# Altium PCB lora.PcbDoc
Units mil, origin at the board's own origin, x right, y up, seen from the top; angles counter-clockwise.
Board outline 1410 x 2360 mil, 2 copper layers (Top Layer, Bottom Layer); 45 components, 47 nets, 179 pads, 57 vias.
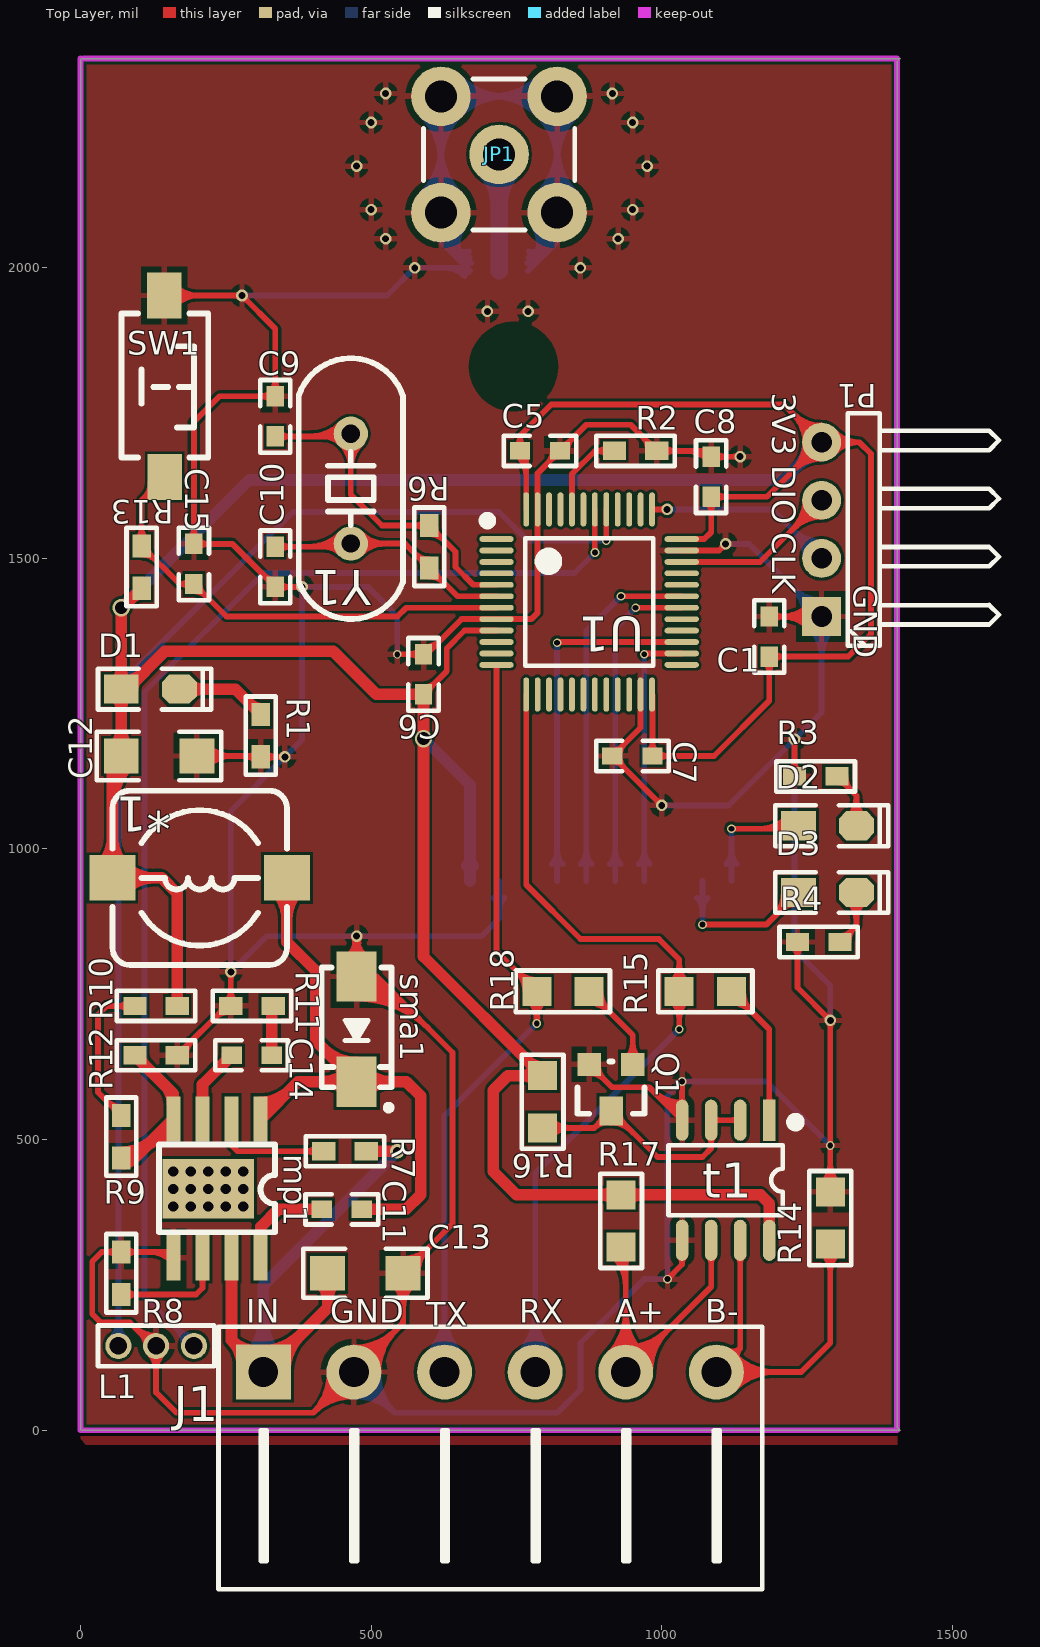
[diagram p0: Top Layer view]
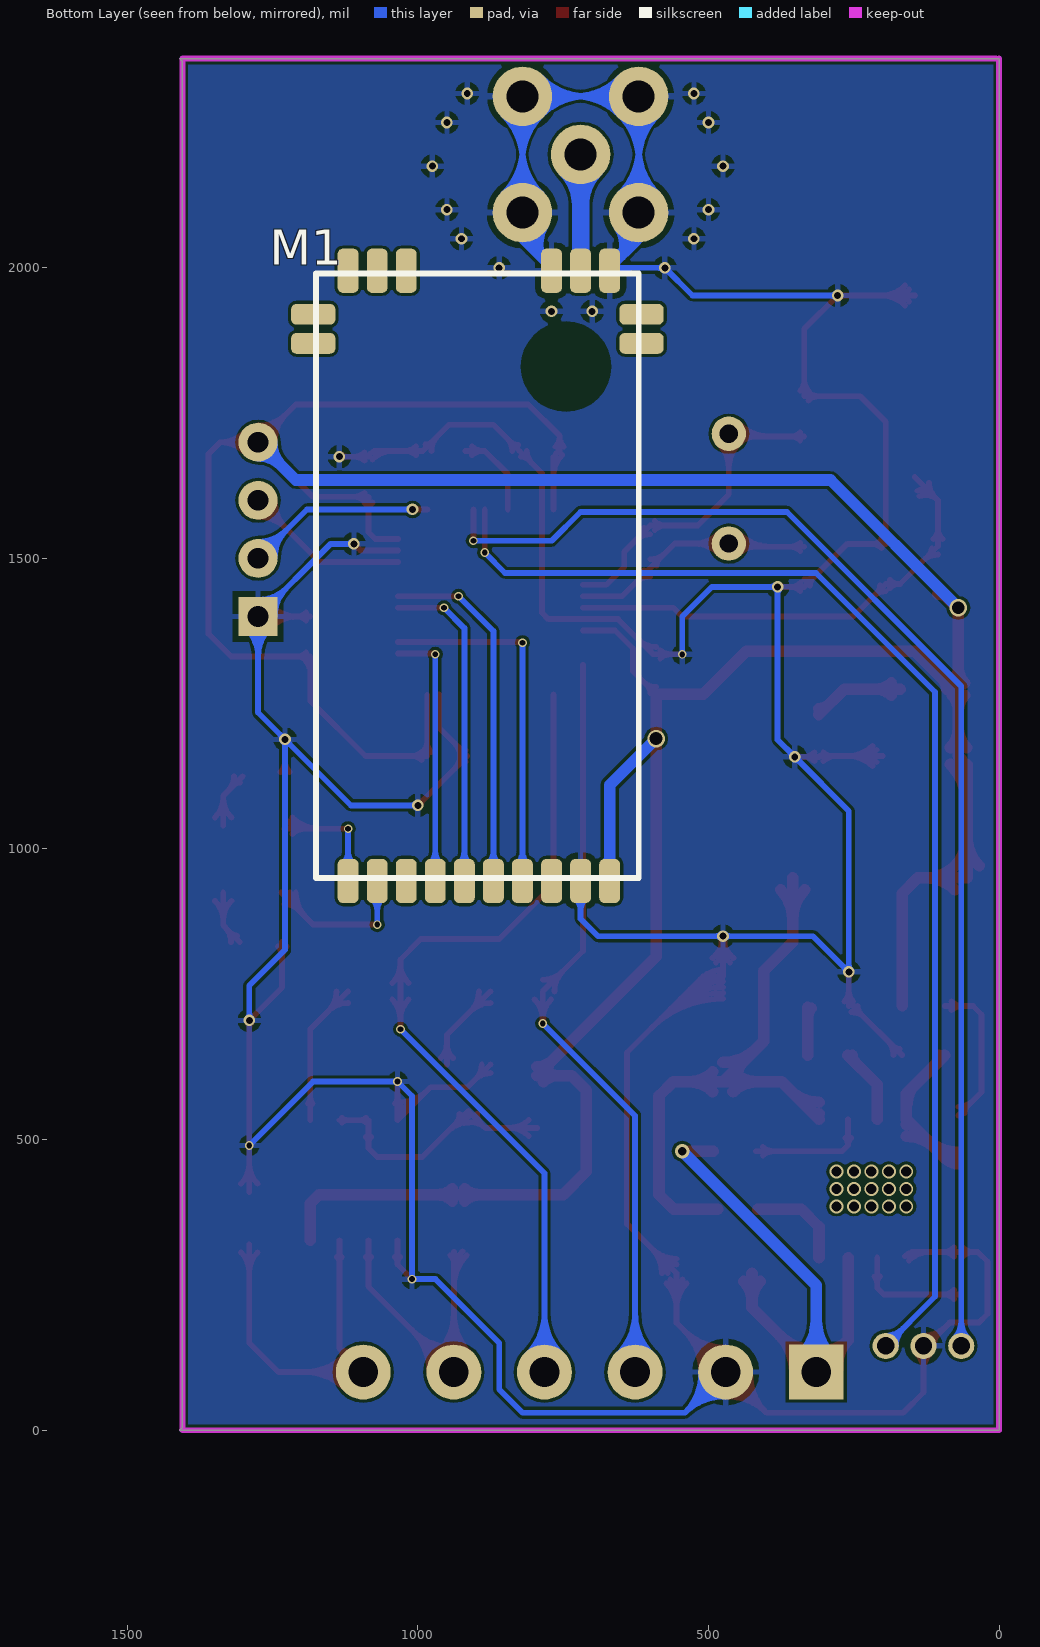
[diagram p1: Bottom Layer view, seen from below]

## Layer stack, top to bottom
Top Layer: signal copper 1.4
Dielectric: dielectric 12.6, FR-4, Dk 4.8
Bottom Layer: signal copper 1.4

## Board outline
0,0 0,2360 1410,2360 1405,2355 1405,950 1405,5 1410,0

## Design rules (kind name [scope] priority, off if disabled: settings)
Clearance [All] p1: gap=5
PolygonConnect [All] p1: connectstyle=Relief reliefconductorwidth=10 reliefentries=4 polygonreliefangle="90 Angle" airgapwidth=10
RoutingVias [All] p1: holewidth=28 width=50 viastyle="Through Hole" minholewidth=28 minwidth=50 maxholewidth=28 maxwidth=50
SolderMaskExpansion [All] p1: expansion=4
Width [All] p1: maxlimit=30 minlimit=10 preferedwidth=10
28 further rules are at their usual default settings.

## Components (designator, comment, footprint, x,y, rotation, side; value= is the part's Value field where it differs from the comment)
*1 "10uh" inductance 215,940 r270 top
C1 "104,0603" "C 0603" 1185,1365 r270 top
C5 "105,0603" "C 0603" 790,1685 r180 top
C6 "105,0603" "C 0603" 590,1300 r270 top
C7 "105,0603" "C 0603" 950,1160 r0 top
C8 "105,0603" "C 0603" 1085,1640 r270 top
C9 "22P,0603" "C 0603" 335,1745 r90 top
C10 "22P,0603" "C 0603" 335,1485 r270 top
C11 "C 103" "C 0603" 450,380 r0 top
C12 "C 224" "C 1206" 195,1160 r270 top
C13 "C 224" "C 1206" 430,270 r90 top
C14 "C 220pf" "C 0603" 295,645 r0 top
C15 "105,0603" "C 0603" 195,1490 r270 top
D1 "LED" "LED 0805G" 120,1275 r0 top
D2 "LED" "LED 0805G" 1285,1040 r0 top
D3 "LED" "LED 0805G" 1285,925 r0 top
J1 "Comment" HT3.96-WI-6P 705,100 r0 top
JP1 "SMA天线" SMA-KE-LI 720,2195 r0 top
L1 "三色led" "三色led - duplicate" 195,145 r180 top
M1 "M-HL10" M-HL10 1175,1990 r180 bottom
mp1 "M?" mp1584 240,420 r0 top
P1 "SWD1" HDR-1X4_H 1275,1400 r90 top
Q1 "SS8050" SOT-23 955,630 r180 top
R1 "510R,0603" "R 0603" 310,1195 r270 top
R2 "10K,0603" "R 0603" 955,1685 r0 top
R3 "510R,0603" "R 0603" 1265,1125 r0 top
R4 "510R,0603" "R 0603" 1270,840 r0 top
R6 "1M0603" "R 0603" 600,1520 r90 top
R7 "R?" "R 0603" 455,480 r180 top
R8 "R?" "R 0603" 70,270 r270 top
R9 "R 20k" "R 0603" 70,505 r90 top
R10 "R 11k" "R 0603" 130,730 r0 top
R11 "R 68.1k" "R 0603" 295,730 r180 top
R12 "R 10k" "R 0603" 130,645 r180 top
R13 "10K,0603" "R 0603" 105,1485 r270 top
R14 "4.7K" "R 0805" 1290,410 r270 bottom
R15 "1K" "R 0805" 1120,755 r180 bottom
R16 "4.7K" "R 0805" 795,520 r90 bottom
R17 "4.7K" "R 0805" 930,405 r270 bottom
R18 "1K" "R 0805" 875,755 r180 bottom
sma1 "s?" SMA 475,600 r270 top
SW1 "SW-PB_V" "TSW SMD-3*6*2.5" 145,1795 r270 top
t1 "sp3485" sp3485 1110,430 r270 top
U1 "STM32F103C8T6" "TQFP48 7x7_L" 875,1425 r270 top
Y1 "8M" "XTAL-49S DIP" 465,1620 r90 top

## Footprints (in the part's own frame and the unit in brackets; to place one, negate y for a bottom-side part, rotate by r counter-clockwise, add the part's x,y. Pads: shape width x height; smd on the part's side, far side on the other; paste and mask are expansions set on the pad)
"C 0603" [mil] "无极性贴片电容"
  rect 35x30 smd: 1(-35,0) 2(34,0)
  silkscreen extent -63,-26 62,26, body extent -31,-16 31,16, height 32
"C 1206" [mil]
  rect 60x60 smd: 1(0,-125) 2(0,5)
  silkscreen extent -42,-167 42,47, body extent -32,-123 32,3, height 48
HDR-1X4_H [mm] "弯脚排针，4脚"
  rect 1.7x1.7 hole 0.9: 1(0,0)
  round 1.7 hole 0.9: 2(2.54,0) 3(5.08,0) 4(7.62,0)
  silkscreen extent -1.27,-7.76 8.89,-1.14, body extent -1.27,-7.77 8.89,1.27, height 4.85
HT3.96-WI-6P [mm] "HT3.96卧插端子"
  rect 2.4x2.4 hole 1.3: 1(-9.92,0)
  round 2.4 hole 1.3: 2(-5.96,0) 3(-2,0) 4(1.96,0) 5(5.92,0) 6(9.88,0)
  silkscreen extent -11.88,-9.5 11.88,1.98, body extent -11.9,-9.5 11.9,0.5, height 7.45
inductance [mm]
  rect 2x2 smd: 1(-0.262,3.556) 2(-0.262,-4.064)
  silkscreen extent -4.07,-4.06 3.55,3.56, body extent -3.91,-3.9 3.39,3.4, height 3.65
"LED 0805G" [mil] "绿色0805LED"
  rect 60x50 smd: 1(-50,0)
  oct 60x50 smd: 2(50,0)
  silkscreen extent -90,-35 105,35, body extent -39,-25 39,25, height 32
M-HL10 [mil]
  rrect50% 35.83x75.98 smd: 1(55,-1045) 2(105,-1045) 3(155,-1045) 4(205,-1045) 5(255,-1045) 6(305,-1045) 7(355,-1045) 8(405,-1045) 9(455,-1045) 10(505,-1045) 13(505,5) 14(455,5) 15(405,5) 16(155,5) 17(105,5) 18(55,5)
  rrect50% 75.98x35.83 smd: 11(560,-120) 12(560,-70) 19(-5,-70) 20(-5,-120)
  round 144.49 on Keep-Out: 21(430,-160)
  silkscreen extent 0,-1040 555,0
mp1584 [mm]
  rect 4x2.6 smd: 0(-0.516,-0.127)
  rect 0.6x2 smd: 1(1.77,2.921) 2(0.5,2.921) 3(-0.77,2.921) 4(-2.04,2.921) 5(-2.04,-3.127) 6(-0.77,-3.127) 7(0.5,-3.127) 8(1.77,-3.127)
  silkscreen extent -2.68,-2.02 2.4,1.82, body extent -2.61,-3.1 2.29,2.9, height 1.7
"R 0603" [mil] "1/10W贴片电阻"
  rect 40x31.5 smd: 1(-36.5,0) 2(36.5,0)
  silkscreen extent -68,-26 68,26, body extent -31,-16 31,16, height 16
"R 0805" [mil]
  rect 50x50 smd far side: 1(90,0) 2(0,0)
  body extent 6,-25 84,25, height 20
SMA [mm]
  rect 2.2x1.75 smd: 1(-4.586,0) 2(0.014,0)
  silkscreen extent -4.99,-1.52 1.27,1.52, body extent -4.81,-1.3 0.29,1.3, height 2.15
SMA-KE-LI [mm] "SMA 立式直插射频天线座"
  round 2.6 hole 1.4 unplated: 1(0,0) 2(-2.54,-2.54) 2(2.54,-2.54) 3(-2.54,2.54) 3(2.54,2.54)
  silkscreen extent -3.3,-3.3 3.3,3.3, body extent -3.63,4.62 2.87,11.12, height 10.35
SOT-23 [mil]
  rect 40x40 smd: 1(4.88,0.63) 2(79.88,0.63)
  rect 40x50 smd: 3(41.88,80.63)
  silkscreen extent -15,-4 100,86, body extent -15,-11 99,99, height 47
sp3485 [mm]
  rect 1.8x0.55 smd: 1(-2.625,1.905)
  oval 1.8x0.55 smd: 2(-2.625,0.635) 3(-2.625,-0.635) 4(-2.625,-1.905) 5(2.625,-1.905) 6(2.625,-0.635) 7(2.625,0.635) 8(2.625,1.905)
  silkscreen extent -2.69,-2.5 1.52,3.2, body extent -3,-2.5 3,2.5, height 1.9
"TQFP48 7x7_L" [mm] "48脚，体宽：7x7mm, 脚距：0.5mm"
  oval 0.25x1.5 smd: 1(-2.75,-4.046) 2(-2.25,-4.046) 3(-1.75,-4.046) 4(-1.25,-4.046) 5(-0.75,-4.046) 6(-0.25,-4.046) 7(0.25,-4.046) 8(0.75,-4.046) 9(1.25,-4.046) 10(1.75,-4.046) 11(2.25,-4.046) 12(2.75,-4.046) 25(2.75,4.046) 26(2.25,4.046) 27(1.75,4.046) 28(1.25,4.046) 29(0.75,4.046) 30(0.25,4.046) 31(-0.25,4.046) 32(-0.75,4.046) 33(-1.25,4.046) 34(-1.75,4.046) 35(-2.25,4.046) 36(-2.75,4.046)
  oval 1.5x0.25 smd: 13(4.046,-2.75) 14(4.046,-2.25) 15(4.046,-1.75) 16(4.046,-1.25) 17(4.046,-0.75) 18(4.046,-0.25) 19(4.046,0.25) 20(4.046,0.75) 21(4.046,1.25) 22(4.046,1.75) 23(4.046,2.25) 24(4.046,2.75) 37(-4.046,2.75) 38(-4.046,2.25) 39(-4.046,1.75) 40(-4.046,1.25) 41(-4.046,0.75) 42(-4.046,0.25) 43(-4.046,-0.25) 44(-4.046,-0.75) 45(-4.046,-1.25) 46(-4.046,-1.75) 47(-4.046,-2.25) 48(-4.046,-2.75)
  silkscreen extent -3.68,-4.57 2.79,2.79, body extent -4.5,-4.5 4.5,4.5, height 1.05
"TSW SMD-3*6*2.5" [mm] "3*6*2.5mm"
  rect 2x1.5 smd: 1(-3.996,-0.02) 2(3.937,0)
  silkscreen extent -3.21,-1.9 3.09,1.9, body extent -4,-1.88 4,1.62, height 2.59
"XTAL-49S DIP" [mm]
  round 1.5 hole 0.8: 1(-2.4,0) 2(2.4,0)
  silkscreen extent -5.7,-2.28 5.7,2.28, body extent -5.68,-2.35 5.67,2.3, height 3.5
"三色led - duplicate" [mil]
  round 45 hole 30: 1(0,0) 2(65,0) 3(130,0)
  silkscreen extent -35,-35 165,35

## Part data
*1: library part inductance
C1 C5 C6 C7 C8 C9 C10 C15: library part Cap, "Capacitor"
C11 C14: library part "C 0603"
C12 C13: library part "C 1206"
JP1: library part SMA, "SMA-2.4G射频天线接口"
P1: library part "Header 4", "Header, 4-Pin"
Q1: library part 8050-SMD, "高频放大-NPN型"
R1 R2 R3 R4 R6 R13: library part Res2, "Resistor"
R9 R10 R11 R12: library part "R 0603"
R14 R15 R16 R17 R18: library part "R 0805"
SW1: "SWITCH"
t1: library part transistor
Y1: library part XTAL, "Crystal Oscillator"

## Via types
v1: diameter 20, hole 12, Top Layer to Bottom Layer, 25 vias
v2: diameter 24, hole 17.72, Top Layer to Bottom Layer, tented both sides, 15 vias
v3: diameter 15, hole 10, Top Layer to Bottom Layer, 14 vias
v4: diameter 30, hole 22, Top Layer to Bottom Layer, 2 vias
v5: diameter 25, hole 15, Top Layer to Bottom Layer, 1 vias

## Nets (pads, with @x,y where several pads share a name; then routed paths per layer and width w, separated by ;. In a path a pad name is that pad's centre, name@x,y a point inside that pad or via, vN(x,y) a via of type N, cw(c..) or ccw(c..) an arc to the next point about the centre after c; other vN are vias at no path point)
A+: J1.5 R17.1 t1.6 | length 1366.7
  Top Layer w10: J1.5@908.2,129.87 ccw(c836.09,201.99) 938.07,201.99 ccw(c1040.06,201.99) J1.5@967.94,129.87 ; J1.5@915.27,122.8 ccw(c860.23,177.84) 938.07,177.84 ccw(c1015.92,177.84) J1.5@960.87,122.8 ; R17.1@915.86,300.86 cw(c862.23,247.23) 938.07,247.23 ; J1.5@922.34,115.73 ccw(c884.37,153.7) 938.07,153.7 ccw(c991.78,153.7) J1.5@953.8,115.73 ; R17.1@922.93,307.93 cw(c886.37,271.37) 938.07,271.37 ; J1.5@938.07,122.24 ccw(c938.07,175.95) 976.05,137.97 ccw(c1014.02,100) J1.5@960.32,100 ; J1.5@938.07,132.24 ccw(c938.07,210.09) 993.12,155.04 ccw(c1048.16,100) J1.5@970.32,100 ; J1.5@938.07,142.24 ccw(c938.07,244.23) 1010.19,172.12 ccw(c1082.3,100) J1.5@980.32,100 ; 938.07,286.21 cw(c958.79,286.21) R17.1@944.14,300.86 ; R17.1@938.07,306.93 J1.5 1085,246.93 t1.6 ; t1.6@1080.88,297.93 cw(c1070.93,287.98) 1085,287.98 cw(c1099.07,287.98) t1.6@1089.12,297.93
B-: J1.6 R14.1 t1.7 | length 1142.3
  Top Layer w10: J1.6@1109.71,84.27 cw(c1147.68,46.3) 1147.68,100 cw(c1147.68,153.7) J1.6@1109.71,115.73 ; J1.6@1113.24,137.6 ccw(c1121.77,154.25) 1135,141.02 ; J1.6@1116.78,77.2 cw(c1171.82,22.16) 1171.82,100 cw(c1171.82,177.84) J1.6@1116.78,122.8 ; J1.6@1123.85,70.13 cw(c1195.97,-1.99) 1195.97,100 cw(c1195.97,201.99) J1.6@1123.85,129.87 ; t1.7@1130.88,297.93 cw(c1120.93,287.98) 1135,287.98 cw(c1149.07,287.98) t1.7@1139.12,297.93 ; J1.6@1131.58,119.26 cw(c1148.23,127.79) 1135,141.02 ; t1.7 1135,141.02 ; R14.1@1275.86,305.86 cw(c1241.72,271.72) 1290,271.72 cw(c1338.28,271.72) R14.1@1304.14,305.86 ; R14.1 1290,150 1240,100 J1.6 1135,141.02
BOOT0: R2.1 U1.44 | length 191.3
  Top Layer w10: U1.44 845.47,1645.47 885,1685 R2.1 ; R2.1@906.65,1677.4 ccw(c888.3,1659.05) 888.3,1685 ccw(c888.3,1710.95) R2.1@906.65,1692.6
BOOT1: U1.20
GND: C1.1 C5.1 C6.1 C7.1 C8.1 C9.2 C10.2 C12.2 C13.1 C15.1 J1.2 JP1.2 JP1.3 L1.2 M1.9 M1.13 M1.15 mp1.5 P1.1 Q1.2 R1.2 R2.2 R3.1 R4.1 R8.1 R11.2 R12.1 R14.2 sma1.1 SW1.1 t1.4 t1.5 U1.8 U1.23 U1.35 U1.47 | length 19275.2
  Top Layer w10: R8.1@62.4,298.9 ccw(c44.05,280.55) 44.05,306.5 ccw(c44.05,332.45) R8.1@62.4,314.1 ; R8.1@77.6,298.9 cw(c95.95,280.55) 95.95,306.5 cw(c95.95,332.45) R8.1@77.6,314.1 ; 91.59,178.41 ccw(c130,216.82) L1.2@130,162.5 ; 103.66,166.34 cw(c82.32,145) L1.2@112.5,145 ; 108.66,161.34 ccw(c130,182.68) L1.2@130,152.5 ; L1.2@117.63,132.63 cw(c87.75,102.75) 130,102.75 cw(c172.25,102.75) L1.2@142.37,132.63 ; 120.04,306.5 cw(c120.04,257.25) mp1.5@154.87,292.07 ; 144.18,306.5 cw(c144.18,281.39) mp1.5@161.94,299.14 ; SW1.1 v1(277.69,1952.31) 335,1895 C9.2 239,1779 195,1735 C15.1 261,1525 C10.2 v1(381,1451) ; mp1.5@150.08,306.5 R8.1 36.5,306.5 20,290 20,200 35,185 85,185 125,145 L1.2 130,65 165,30 400.36,30 ; SW1.1@154.49,1942.04 cw(c179.29,1917.24) 179.29,1952.31 cw(c179.29,1987.39) SW1.1@154.49,1962.59 ; SW1.1@161.56,1934.97 cw(c203.43,1893.1) 203.43,1952.31 cw(c203.43,2011.53) SW1.1@161.56,1969.66 ; R12.1 R11.2@251.5,730 ; R12.1@170.75,655.75 ccw(c170.75,671.43) R12.1@181.84,660.34 ; R12.1@181.5,645 cw(c217.71,645) 192.11,670.61 ; C15.1@187.93,1534.57 ccw(c170.86,1551.64) 195,1551.64 ccw(c219.14,1551.64) C15.1@202.07,1534.57 ; C12.2 R1.2@308.5,1160 ; C15.1@202.07,1517.93 cw(c219.14,1500.86) 219.14,1525 cw(c219.14,1549.14) C15.1@202.07,1532.07 ; C12.2@210.61,1149.4 cw(c236.21,1123.79) 236.21,1160 cw(c236.21,1196.22) C12.2@210.61,1170.61 ; C12.2@217.68,1142.33 cw(c260.36,1099.65) 260.36,1160 cw(c260.36,1220.36) C12.2@217.68,1177.68 ; 231.21,709.71 cw(c254.25,686.67) R11.2@254.25,719.25 ; 237.84,716.34 ccw(c224.19,730) R11.2@243.5,730 ; R11.2@250.9,737.6 ccw(c232.55,755.95) 258.5,755.95 ccw(c284.45,755.95) R11.2@266.1,737.6 ; v1@254.96,784.96 cw(c246.43,776.43) 258.5,776.43 cw(c270.57,776.43) v1@262.04,784.96 ; R11.2 v1(258.5,788.5) ; v1@274.15,1948.78 ccw(c265.62,1940.24) 265.62,1952.31 ccw(c265.62,1964.38) v1@274.15,1955.85 ; v1@277.69,1947.31 cw(c277.69,1935.24) 286.22,1943.78 cw(c294.76,1952.31) v1@282.69,1952.31 ; 280.42,1160 cw(c280.42,1128.92) R1.2@302.4,1150.9 ; 287.68,1160 ccw(c287.68,1180.82) R1.2@302.4,1166.1 ; R1.2 v1(351.5,1158.5) ; 313.66,1472.34 ccw(c335,1493.68) C10.2@335,1463.5 ; R1.2@317.6,1150.9 cw(c335.95,1132.55) 335.95,1158.5 cw(c335.95,1184.45) R1.2@317.6,1166.1 ; 319.7,1466.3 cw(c306.89,1453.5) C10.2@325,1453.5 ; C9.2@327.93,1771.93 ccw(c310.86,1754.86) 310.86,1779 ccw(c310.86,1803.14) C9.2@327.93,1786.07 ; C9.2@327.93,1788.57 ccw(c310.86,1805.64) 335,1805.64 ccw(c359.14,1805.64) C9.2@342.07,1788.57 ; C10.2@342.07,1443.93 cw(c359.14,1426.86) 359.14,1451 cw(c359.14,1475.14) C10.2@342.07,1458.07 ; v1@347.96,1154.96 ccw(c339.43,1146.43) 339.43,1158.5 ccw(c339.43,1170.57) v1@347.96,1162.04 ; v1@377.46,1447.46 ccw(c368.93,1438.93) 368.93,1451 ccw(c368.93,1463.07) v1@377.46,1454.54 ; J1.2@428.12,99.1 cw(c333.29,97.08) 400.36,30 ; J1.2@438.12,99.31 cw(c365.73,97.77) 416.93,46.57 cw(c468.13,-4.62) J1.2@469.67,67.76 ; J1.2@448.12,99.53 cw(c398.18,98.46) 433.5,63.14 cw(c468.82,27.82) J1.2@469.88,77.76 ; sma1.1@456.81,812.57 ccw(c427.4,850) v1(475,850) ; sma1.1@462.98,804.7 ccw(c443.56,829.42) 475,829.42 ccw(c506.44,829.42) sma1.1@487.02,804.7 ; J1.2@469.46,57.77 ccw(c467.44,-37.07) 400.36,30 ; J1.2@470.36,122.24 ccw(c470.36,175.95) 508.33,137.97 ccw(c546.3,100) J1.2@492.6,100 ; J1.2@470.36,132.24 ccw(c470.36,210.09) 525.4,155.04 ccw(c580.44,100) J1.2@502.6,100 ; J1.2@470.36,142.24 ccw(c470.36,244.23) 542.47,172.12 ccw(c614.59,100) J1.2@512.6,100 ; v1@470.67,847.5 cw(c460.21,841.46) 471.88,838.34 cw(c483.53,835.22) v1@477.5,845.67 ; v1@471.46,846.46 cw(c462.93,837.93) 475,837.93 cw(c487.07,837.93) v1@478.54,846.46 ; v1@472.5,845.67 cw(c466.47,835.22) 478.12,838.34 cw(c489.79,841.46) v1@479.33,847.5 ; sma1.1@475,742.24 cw(c475,566.6) 599.2,690.8 ; sma1.1@475,752.24 cw(c475,600.74) 582.13,707.87 ; sma1.1@475,762.24 cw(c475,634.88) 565.06,724.94 ; sma1.1@475,772.24 cw(c475,669.02) 547.99,742.01 ; sma1.1@475,782.24 cw(c475,703.16) 530.92,759.08 ; sma1.1@475,792.24 cw(c475,737.31) 513.85,776.15 ; sma1.1@493.19,812.57 cw(c522.6,850) v1(475,850) ; C13.1@537.32,252.32 cw(c494.64,209.64) 555,209.64 cw(c615.35,209.64) C13.1@572.68,252.32 ; C13.1@544.39,259.39 cw(c518.79,233.78) 555,233.78 cw(c591.21,233.78) C13.1@565.61,259.39 ; v3@545,1335 C6.1 595,1335 655.47,1395.47 U1.8 775.47,1395.47 786.42,1406.42 U1.47 786.42,1646.42 C5.1 870,1730 946.5,1730 R2.2 C8.1@1075,1685 ; C13.1@555,285 ccw(c555,321.21) 580.6,295.6 ccw(c606.21,270) C13.1@570,270 ; C13.1@555,295 ccw(c555,355.35) 597.68,312.67 ccw(c640.35,270) C13.1@580,270 ; C6.1@582.93,1327.93 ccw(c565.86,1310.86) 565.86,1335 ccw(c565.86,1359.14) C6.1@582.93,1342.07 ; C6.1@590,1347.5 ccw(c590,1389.75) 619.87,1359.87 ; 803.66,1663.66 ccw(c782.32,1685) C5.1@812.5,1685 ; 809.7,1669.7 cw(c822.5,1656.89) C5.1@822.5,1675 ; C5.1@827.5,1695 ccw(c827.5,1713.11) 840.3,1700.3 ; C5.1@837.5,1685 cw(c867.68,1685) 846.34,1706.34 ; Q1.2@875.12,614.37 cw(c875.12,578.16) 900.72,603.76 cw(c926.33,629.37) Q1.2@890.12,629.37 ; Q1.2 914.49,590 978.35,590 t1.4 v3(1035,599.84) ; C7.1@917.5,1150 cw(c917.5,1131.89) 930.3,1144.7 ; C7.1@917.5,1170 ccw(c917.5,1188.11) 930.3,1175.3 ; 936.34,1138.66 cw(c957.68,1160) 927.5,1160 cw(c957.68,1160) 936.34,1181.34 ; U1.23 963.58,1208.58 C7.1 v1(1000,1075) ; 965.89,1710.61 cw(c940.29,1685) R2.2@976.5,1685 ; R2.2@976.16,1700.34 ccw(c987.25,1711.43) R2.2@987.25,1695.75 ; 983.05,585.3 ccw(c1035,637.25) t1.4@1035,563.78 ; v1@995,1075 ccw(c982.93,1075) 991.46,1083.54 ccw(c1000,1092.07) v1@1000,1080 ; 1000.12,568.23 ccw(c1035,603.11) t1.4@1035,553.78 ; R2.2@1003.35,1677.4 cw(c1021.7,1659.05) 1021.7,1685 cw(c1021.7,1710.95) R2.2@1003.35,1692.6 ; v3(1010,259.84) 1035,284.84 t1.5 ; 1017.19,551.16 ccw(c1035,568.97) t1.4@1035,543.78 ; t1.5@1030.88,297.93 cw(c1020.93,287.98) 1035,287.98 cw(c1049.07,287.98) t1.5@1039.12,297.93 ; t1.4@1030.88,562.07 ccw(c1020.93,572.02) 1035,572.02 ccw(c1049.07,572.02) t1.4@1039.12,562.07 ; t1.4@1034.26,534.09 ccw(c1035,534.82) t1.4@1035,533.78 ; U1.35 1098.58,1513.58 v1(1110,1525) ; 1042.75,1685 cw(c1042.75,1635.25) C8.1@1077.93,1670.43 ; 1066.89,1685 cw(c1066.89,1659.39) C8.1@1085,1677.5 ; C8.1 v1(1135,1675) ; C8.1@1092.07,1667.93 cw(c1109.14,1650.86) 1109.14,1675 cw(c1109.14,1699.14) C8.1@1092.07,1682.07 ; v1@1105,1525 cw(c1092.93,1525) 1101.46,1516.46 cw(c1110,1507.93) v1@1110,1520 ; v1@1131.46,1671.46 ccw(c1122.93,1662.93) 1122.93,1675 ccw(c1122.93,1687.07) v1@1131.46,1678.54 ; C1.1 P1.1 ; C1.1@1192.07,1392.93 cw(c1209.14,1375.86) 1209.14,1400 cw(c1209.14,1424.14) C1.1@1192.07,1407.07 ; R3.1@1220.9,1132.6 ccw(c1202.55,1150.95) 1228.5,1150.95 ccw(c1254.45,1150.95) R3.1@1236.1,1132.6 ; v1@1224.96,1184.96 cw(c1216.43,1176.43) 1228.5,1176.43 cw(c1240.57,1176.43) v1@1232.04,1184.96 ; R4.1@1225.9,832.4 cw(c1207.55,814.05) 1233.5,814.05 cw(c1259.45,814.05) R4.1@1241.1,832.4 ; R3.1 v1(1228.5,1188.5) ; R4.1 1233.5,761.5 v1(1290,705) v3(1290,489.84) R14.2 ; P1.1@1254.87,1379.87 ccw(c1206.28,1331.28) 1206.28,1400 ccw(c1206.28,1468.72) P1.1@1254.87,1420.13 ; P1.1@1261.94,1386.94 ccw(c1230.42,1355.42) 1230.42,1400 ccw(c1230.42,1444.58) P1.1@1261.94,1413.06 ; R14.2@1275.86,424.14 ccw(c1241.72,458.28) 1290,458.28 ccw(c1338.28,458.28) R14.2@1304.14,424.14 ; v1@1285,705 ccw(c1272.93,705) 1281.46,713.54 ccw(c1290,722.07) v1@1290,710 ; v1@1286.46,701.46 cw(c1277.93,692.93) 1290,692.93 cw(c1302.07,692.93) v1@1293.54,701.46 ; 400.36,30 J1.2 555,184.64 C13.1 640,355 640,650 509.45,780.55 sma1.1 v1(475,850)
  Bottom Layer w10: v1@254.96,792.04 ccw(c246.43,800.57) 258.5,800.57 ccw(c270.57,800.57) v1@262.04,792.04 ; v1@258.5,793.5 ccw(c258.5,805.57) 267.04,797.04 ccw(c275.57,788.5) v1@263.5,788.5 ; v1(277.69,1952.31) 527.31,1952.31 v1(575,2000) M1.13@665,2000 ; v1@281.22,1948.78 cw(c289.76,1940.24) 289.76,1952.31 cw(c289.76,1964.38) v1@281.22,1955.85 ; v1@346.5,1158.5 cw(c334.43,1158.5) 342.96,1149.96 cw(c351.5,1141.43) v1@351.5,1153.5 ; v1@351.5,1163.5 ccw(c351.5,1175.57) 360.04,1167.04 ccw(c368.57,1158.5) v1@356.5,1158.5 ; v1@377.46,1447.46 cw(c368.93,1438.93) 381,1438.93 cw(c393.07,1438.93) 384.54,1447.46 cw(c393.07,1438.93) 393.07,1451 cw(c393.07,1463.07) v1@384.54,1454.54 ; J1.2 540.36,30 ; J1.2@470.83,77.76 cw(c471.9,27.82) 507.21,63.14 cw(c542.53,98.46) J1.2@492.6,99.53 ; J1.2@471.04,67.76 cw(c472.59,-4.62) 523.78,46.57 cw(c574.98,97.77) J1.2@502.59,99.31 ; J1.2@471.26,57.77 cw(c473.28,-37.07) 540.35,30 ; v1@471.46,846.46 ccw(c462.93,837.93) 462.93,850 ccw(c462.93,862.07) v1@471.46,853.54 ; v1@478.54,846.46 cw(c487.07,837.93) 487.07,850 cw(c487.07,862.07) v1@478.54,853.54 ; J1.2@512.59,99.1 ccw(c607.43,97.08) 540.35,30 ; v3(545,1334.84) 545,1400 494,1451 v1(381,1451) 381,1188 v1(351.5,1158.5) 258.5,1065.5 v1(258.5,788.5) 320,850 v1(475,850) 690,850 720,880 M1.9 ; v1@570,2000 cw(c557.93,2000) 566.46,1991.46 cw(c575,1982.93) v1@575,1995 ; v1@578.54,1996.46 cw(c587.07,1987.93) 587.07,2000 cw(c587.07,2012.07) v1@578.54,2003.54 ; JP1.2@587.35,2127.65 ccw(c508.51,2206.49) 620,2206.49 ccw(c731.49,2206.49) JP1.2@652.65,2127.65 ; JP1.3@587.35,2262.35 cw(c508.51,2183.51) 620,2183.51 cw(c731.49,2183.51) 652.65,2262.35 cw(c731.49,2183.51) 731.49,2295 cw(c731.49,2406.49) JP1.3@652.65,2327.65 ; JP1.2@594.42,2120.58 ccw(c532.65,2182.35) 620,2182.35 ccw(c707.35,2182.35) JP1.2@645.58,2120.58 ; JP1.3@594.42,2269.42 cw(c532.65,2207.65) 620,2207.65 cw(c707.35,2207.65) 645.58,2269.42 cw(c707.35,2207.65) 707.35,2295 cw(c707.35,2382.35) JP1.3@645.58,2320.58 ; JP1.2@601.49,2113.51 ccw(c556.79,2158.21) 620,2158.21 ccw(c683.21,2158.21) JP1.2@638.51,2113.51 ; JP1.3@601.49,2276.49 cw(c556.79,2231.79) 620,2231.79 cw(c683.21,2231.79) 638.51,2276.49 cw(c683.21,2231.79) 683.21,2295 cw(c683.21,2358.21) JP1.3@638.51,2313.51 ; JP1.2@616.83,2097.13 ccw(c652.36,2073.21) 622.07,2042.93 ; JP1.2@625.13,2091.55 ccw(c662.62,2066.3) 630.66,2034.34 ; 626.75,2000 cw(c626.75,1951.75) M1.13@660.87,1985.87 ; JP1.2@633.42,2085.96 ccw(c672.88,2059.39) 639.24,2025.76 ; 634.74,2030.26 ccw(c665.01,2060.53) M1.13@669.68,2017.97 ; JP1.2@641.72,2080.38 ccw(c683.14,2052.48) 647.83,2017.17 ; 645.15,2028.09 ccw(c663.95,2038.95) M1.13@669.28,2017.9 ; 649.48,2015.52 ccw(c667.93,2033.97) M1.13@670.77,2008.03 ; JP1.2@650.01,2074.79 ccw(c693.4,2045.58) M1.13@656.41,2008.59 ; 651.76,2016.65 ccw(c667.33,2025.63) M1.13@671.74,2008.21 ; JP1.2@658.31,2069.21 ccw(c703.66,2038.67) M1.13@665,2000 ; M1.13@660.87,2004.13 cw(c650.9,2014.1) 650.9,2000 cw(c650.9,1975.9) M1.13@667.94,1992.94 ; M1.13@668.59,2027.92 cw(c662.1,2087.1) JP1.2@620,2045 ; M1.13 M1.13@665,2000 ; M1.9@710.87,915.79 cw(c688.82,893.75) 720,893.75 cw(c751.18,893.75) M1.9@729.13,915.79 ; M1.15@769.23,2008.03 ccw(c772.07,2033.97) 790.52,2015.52 ; M1.15@770.32,2017.97 ccw(c774.99,2060.53) 805.26,2030.26 ; M1.15@770.78,2017.89 ccw(c775.8,2036.1) 792.16,2026.65 ; M1.15@771.41,2027.92 ccw(c777.9,2087.1) JP1.2@820,2045 ; M1.15@779.2,2004.2 ccw(c736.7,2046.7) JP1.2@788.7,2076.85 ; JP1.2@780.05,2071.84 cw(c725.05,2039.95) M1.15 JP1.2@820,2045 ; JP1.2@787.35,2127.65 ccw(c708.51,2206.49) 820,2206.49 ccw(c931.49,2206.49) JP1.2@852.65,2127.65 ; JP1.3@787.35,2327.65 cw(c708.51,2406.49) 708.51,2295 cw(c708.51,2183.51) 787.35,2262.35 cw(c708.51,2183.51) 820,2183.51 cw(c931.49,2183.51) JP1.3@852.65,2262.35 ; 788.4,2013.4 ccw(c748.34,2053.46) JP1.2@797.35,2081.87 ; JP1.2@794.42,2120.58 ccw(c732.65,2182.35) 820,2182.35 ccw(c907.35,2182.35) JP1.2@845.58,2120.58 ; JP1.3@794.42,2320.58 cw(c732.65,2382.35) 732.65,2295 cw(c732.65,2207.65) 794.42,2269.42 cw(c732.65,2207.65) 820,2207.65 cw(c907.35,2207.65) JP1.3@845.58,2269.42 ; 797.6,2022.6 ccw(c759.99,2060.21) JP1.2@806,2086.88 ; JP1.2@801.49,2113.51 ccw(c756.79,2158.21) 820,2158.21 ccw(c883.21,2158.21) JP1.2@838.51,2113.51 ; JP1.3@801.49,2313.51 cw(c756.79,2358.21) 756.79,2295 cw(c756.79,2231.79) 801.49,2276.49 cw(c756.79,2231.79) 820,2231.79 cw(c883.21,2231.79) JP1.3@838.51,2276.49 ; 806.79,2031.79 ccw(c771.63,2066.96) JP1.2@814.65,2091.9 ; 815.99,2040.99 ccw(c783.28,2073.71) JP1.2@823.3,2096.92 ; v1(1000,1075) 1115,1075 v1(1228.5,1188.5) ; v1@1003.54,1071.46 cw(c1012.07,1062.93) 1012.07,1075 cw(c1012.07,1087.07) v1@1003.54,1078.54 ; v1(1110,1525) 1150,1525 P1.1 1275,1235 v1(1228.5,1188.5) ; v1@1113.54,1521.46 cw(c1122.07,1512.93) 1122.07,1525 cw(c1122.07,1537.07) v1@1113.54,1528.54 ; v1@1223.5,1188.5 cw(c1211.43,1188.5) 1219.96,1179.96 cw(c1228.5,1171.43) v1@1228.5,1183.5 ; v1@1224.96,1184.96 cw(c1216.43,1176.43) 1228.5,1176.43 cw(c1240.57,1176.43) v1@1232.04,1184.96 ; v1@1228.5,1193.5 ccw(c1228.5,1205.57) 1237.04,1197.04 ccw(c1245.57,1188.5) v1@1233.5,1188.5 ; P1.1@1246.54,1400 ccw(c1177.82,1400) 1226.41,1448.59 ccw(c1275,1497.18) P1.1@1275,1428.46 ; P1.1@1254.87,1379.87 cw(c1206.28,1331.28) 1275,1331.28 cw(c1343.72,1331.28) P1.1@1295.13,1379.87 ; P1.1@1256.54,1400 ccw(c1211.96,1400) 1243.48,1431.52 ccw(c1275,1463.04) P1.1@1275,1418.46 ; P1.1@1261.94,1386.94 cw(c1230.42,1355.42) 1275,1355.42 cw(c1319.58,1355.42) P1.1@1288.06,1386.94 ; v1@1286.46,708.54 ccw(c1277.93,717.07) 1290,717.07 ccw(c1302.07,717.07) v1@1293.54,708.54 ; v3@1290,490 1180.16,599.84 v3(1035,599.84) 1010,574.84 v3(1010,259.84) 969.84,259.84 860,150 860,70 820,30 540.36,30 ; v1(1290,705) 1290,765 1228.5,826.5 v1(1228.5,1188.5) ; JP1.2@620,2045 M1.13@665,2000 ; JP1.2@620,2045 620,2095 620,2295 820,2295 820,2095 JP1.2@820,2045
  other v1: 700,1925 770,1925 860,2000 525,2050 925,2050 500,2100 950,2100 475,2175 975,2175 500,2250 950,2250 525,2300 915,2300
Net*1_1: *1.1 C11.2 mp1.1 sma1.2 | length 1457
  Top Layer w20: mp1.1 374.13,599.45 sma1.2 ; mp1.1@309.68,544.37 ccw(c309.68,566.99) 325.68,551 ; mp1.1@309.68,564.37 ccw(c309.68,635.28) 359.82,585.14 ; *1.1@334.23,929.55 cw(c284.09,879.41) 355,879.41 cw(c425.91,879.41) *1.1@375.77,929.55 ; *1.1 355,840 405,790 405,669.45 sma1.2 ; 418.14,656.31 ccw(c475,713.17) sma1.2@475,632.76 ; 439.53,634.92 cw(c412.91,608.31) sma1.2@450.55,608.31 ; sma1.2@457.71,582.16 ccw(c415.98,540.42) 415.98,599.45 ccw(c415.98,658.47) sma1.2@457.71,616.74 ; C11.2 560,380 585,405 585,575 560.55,599.45 sma1.2 ; sma1.2@492.29,582.16 cw(c534.02,540.42) 534.02,599.45 cw(c534.02,658.47) sma1.2@492.29,616.74
NetC2_1: JP1.1 M1.14 | length 337.2
  Bottom Layer w30: JP1.1@694.42,2169.42 cw(c632.65,2107.65) 720,2107.65 cw(c807.35,2107.65) JP1.1@745.58,2169.42 ; M1.14 JP1.1
NetC2_2: 
NetC11_1: C11.1 mp1.8 | length 170.7
  Top Layer w20: mp1.8 309.68,349.68 340,380 C11.1
NetC14_1: C14.1 mp1.3 | length 145.1
  Top Layer w20: mp1.3 209.68,594.68 C14.1 ; C14.1@247.2,632.2 ccw(c234.39,645) C14.1@252.5,645
NetC14_2: C14.2 R11.1 | length 98.1
  Top Layer w20: R11.1@323.18,725.94 cw(c309.14,711.89) 329,711.89 ; C14.2 R11.1@329,727.5
NetD1_2: D1.2 R1.1 | length 233.9
  Top Layer w20: D1.2 266.5,1275 R1.1 ; D1.2@185.61,1264.39 cw(c211.21,1238.79) 211.21,1275 cw(c211.21,1311.21) D1.2@185.61,1285.61 ; 292.93,1248.57 ccw(c310,1265.64) R1.1@310,1241.5
NetD2_1: D2.1 M1.1 | length 357.3
  Top Layer w10: v3(1120,1034.84) D2.1@1229.84,1034.84 ; 1169.26,1034.84 ccw(c1169.26,1100.74) D2.1@1215.86,1054.14 ; 1193.41,1034.84 ccw(c1193.41,1076.59) D2.1@1222.93,1047.07 ; 1194.17,1034.84 cw(c1194.17,1004.17) D2.1@1215.86,1025.86
  Bottom Layer w10: M1.1@1110.87,974.21 ccw(c1088.82,996.25) 1120,996.25 ccw(c1151.18,996.25) M1.1@1129.13,974.21 ; M1.1 v3(1120,1034.84)
NetD2_2: D2.2 R3.2 | length 215.5
  Top Layer w10: R3.2 1335,1091.5 D2.2 ; R3.2@1305.75,1114.25 cw(c1305.75,1098.57) R3.2@1316.84,1109.66 ; R3.2@1316.5,1125 ccw(c1352.71,1125) 1327.11,1099.39 ; D2.2@1320.86,1054.14 ccw(c1286.72,1088.28) 1335,1088.28 ccw(c1383.28,1088.28) D2.2@1349.14,1054.14
NetD3_2: D3.1 M1.2 | length 416.1
  Top Layer w10: v3(1070,869.84) 1179.84,869.84 D3.1 ; 1192.32,882.32 ccw(c1149.64,925) D3.1@1210,925 ; 1204.39,894.39 cw(c1230,868.79) D3.1@1230,905 ; 1209.39,899.39 ccw(c1183.79,925) D3.1@1220,925
  Bottom Layer w10: M1.2@1060.87,915.79 cw(c1038.82,893.75) 1070,893.75 cw(c1101.18,893.75) M1.2@1079.13,915.79 ; v3@1070,870 M1.2
NetD4_2: 
Netmp1_2: mp1.2 R7.2 | length 274.4
  Top Layer w10: mp1.2@254.87,502.62 cw(c243.24,491) 259.68,491 cw(c276.13,491) mp1.2@264.5,502.62 ; mp1.2 259.68,490.32 270,480 R7.2 ; R7.2@406.65,472.4 ccw(c388.3,454.05) 388.3,480 ccw(c388.3,505.95) R7.2@406.65,487.6
Netmp1_4: mp1.4 R9.1 R12.2 | length 469.2
  Top Layer w20: R9.1@70,458.5 ccw(c70,490.33) 92.51,467.82 ; R9.1 93.18,468.5 mp1.4 159.68,578.82 R12.2 ; R9.1@70,478.5 ccw(c70,558.62) 126.65,501.97 ; R12.2@103.5,645 ccw(c127.64,645) 110.57,627.93 ; 109.55,484.86 cw(c159.68,434.72) mp1.4@159.68,505.63 ; 143.69,519 cw(c159.68,503.01) mp1.4@159.68,525.63 ; 145.1,593.4 cw(c114.26,562.56) mp1.4@157.87,562.56
Netmp1_6: mp1.6 R8.2 | length 263.1
  Top Layer w10: R8.2 198.5,233.5 209.68,244.68 mp1.6 ; R8.2@77.6,225.9 cw(c95.95,207.55) 95.95,233.5 cw(c95.95,259.45) R8.2@77.6,241.1 ; mp1.6@204.87,264.51 cw(c193.24,252.89) 209.68,252.89 cw(c226.13,252.89) mp1.6@214.5,264.51
NetQ1_1: Q1.1 R18.2 | length 289.5
  Top Layer w10: R18.2@875,735 cw(c875,686.72) 909.14,720.86 cw(c943.28,755) R18.2@895,755 ; R18.2 950.12,679.88 Q1.1 ; Q1.1@939.51,639.98 ccw(c913.9,665.58) 950.12,665.58 ccw(c986.33,665.58) Q1.1@960.72,639.98
NetQ1_3: Q1.3 R16.2 t1.2 t1.3 | length 706.7
  Top Layer w10: R16.2 883.75,520 ; R16.2@809.14,505.86 cw(c843.28,471.72) 843.28,520 cw(c843.28,568.28) R16.2@809.14,534.14 ; 891.05,527.3 ccw(c873.98,544.37) Q1.3@898.12,544.37 ; Q1.3@911.29,529.48 ccw(c907.24,496.51) 883.75,520 ; Q1.3@913.12,529.37 cw(c913.12,481.09) 947.26,515.23 ; Q1.3@913.12,539.37 cw(c913.12,515.23) Q1.3@930.19,532.3 ; Q1.3@928.12,544.37 ccw(c952.26,544.37) 935.19,527.3 ; t1.3@1080.88,504.62 cw(c1070.93,494.67) 1085,494.67 cw(c1099.07,494.67) t1.3@1089.12,504.62 ; t1.3@1089.12,529.23 cw(c1099.07,519.28) 1099.07,533.35 cw(c1099.07,547.41) t1.3@1089.12,537.47 ; t1.2@1130.88,529.23 ccw(c1120.93,519.28) 1120.93,533.35 ccw(c1120.93,547.41) t1.2@1130.88,537.47 ; t1.2 t1.3 1085,485 1070,470 992.49,470 Q1.3 883.75,520
NetR9_2: R9.2 R10.1 | length 341.3
  Top Layer w10: 44.39,567.11 ccw(c70,592.71) R9.2@70,556.5 ; R9.2@54.66,556.84 cw(c43.57,545.75) R9.2@59.25,545.75 ; R9.2 30,581.5 30,715 45,730 R10.1 ; R10.1@81.65,722.4 ccw(c63.3,704.05) 63.3,730 ccw(c63.3,755.95) R10.1@81.65,737.6
NetR15_2: R15.2 t1.1 | length 346.5
  Top Layer w10: R15.2@1120,735 cw(c1120,686.72) 1154.14,720.86 cw(c1188.28,755) R15.2@1140,755 ; R15.2 1185,690 t1.1 ; t1.1@1180.88,562.07 ccw(c1170.93,572.02) 1185,572.02 ccw(c1199.07,572.02) t1.1@1189.12,562.07
NewNet: D3.2 R4.2 | length 213.4
  Top Layer w10: R4.2 1335,868.5 D3.2 ; R4.2@1310.75,850.75 ccw(c1310.75,866.43) R4.2@1321.84,855.34 ; D3.2@1320.86,910.86 cw(c1286.72,876.72) 1335,876.72 cw(c1383.28,876.72) D3.2@1349.14,910.86 ; R4.2@1321.5,840 cw(c1357.71,840) 1332.11,865.61
OSCIN: C9.1 R6.2 U1.5 Y1.2 | length 956.3
  Top Layer w10: C9.1 Y1.2@460.51,1710 ; C9.1@342.07,1702.93 cw(c359.14,1685.86) 359.14,1710 cw(c359.14,1734.14) C9.1@342.07,1717.07 ; 394.95,1710 ccw(c394.95,1784.54) Y1.2@447.66,1731.83 ; 416.62,1710 cw(c416.62,1666.11) 447.66,1697.14 cw(c405.79,1655.27) 465,1655.27 cw(c524.21,1655.27) Y1.2@482.34,1697.14 ; 419.09,1710 ccw(c419.09,1760.4) Y1.2@454.73,1724.76 ; Y1.2@454.73,1704.22 cw(c429.93,1679.42) 465,1679.42 cw(c500.07,1679.42) Y1.2@475.27,1704.22 ; Y1.2@465,1710 465,1610 518.5,1556.5 R6.2 645,1511.5 645,1485 675.47,1454.53 U1.5 ; R6.2@592.4,1548.9 ccw(c574.05,1530.55) 574.05,1556.5 ccw(c574.05,1582.45) R6.2@592.4,1564.1 ; R6.2@600,1541.5 cw(c600,1505.29) 625.61,1530.89 ; R6.2@610.75,1552.25 ccw(c626.43,1552.25) R6.2@615.34,1541.16
OSCOUT: C10.1 R6.1 U1.6 Y1.1 | length 815.6
  Top Layer w10: C10.1 Y1.1@459.49,1520 ; C10.1@342.07,1512.93 cw(c359.14,1495.86) 359.14,1520 cw(c359.14,1544.14) C10.1@342.07,1527.07 ; 392.48,1520 ccw(c392.48,1598.03) Y1.1@447.66,1542.86 ; 416.62,1520 ccw(c416.62,1573.89) Y1.1@454.73,1535.78 ; 419.09,1520 cw(c419.09,1479.6) Y1.1@447.66,1508.17 ; Y1.1 557.99,1525.51 R6.1 648.66,1434.84 U1.6 ; Y1.1@475.27,1515.24 cw(c500.07,1490.44) 500.07,1525.51 cw(c500.07,1560.58) Y1.1@475.27,1535.78 ; Y1.1@482.34,1508.17 cw(c524.21,1466.3) 524.21,1525.51 cw(c524.21,1584.73) Y1.1@482.34,1542.86 ; 574.39,1509.11 ccw(c600,1534.71) R6.1@600,1498.5 ; R6.1@584.66,1498.84 cw(c573.57,1487.75) R6.1@589.25,1487.75 ; R6.1@600,1468.5 cw(c600,1432.29) 625.61,1457.89 ; R6.1@610.75,1479.25 ccw(c626.43,1479.25) R6.1@615.34,1468.16
PA0: U1.10
PA1: U1.11
PB5: L1.3 U1.41 | length 2239.5
  Top Layer w10: v3(904.53,1530.47) U1.41
  Bottom Layer w10: L1.3@52.63,157.37 ccw(c22.75,187.25) 65,187.25 ccw(c107.25,187.25) L1.3@77.37,157.37 ; L1.3 65,1280 365,1580 720,1580 769.53,1530.47 v3(904.53,1530.47)
PB6: L1.1 U1.42 | length 2175.3
  Top Layer w10: U1.42 884.84,1510.16 v3(885,1510)
  Bottom Layer w10: L1.1@177.5,145 ccw(c135.25,145) 165.13,174.87 ccw(c195,204.75) L1.1@195,162.5 ; L1.1 110,230 110,1270 315,1475 850,1475 v3(885,1510)
PB7: U1.43
PB12: U1.25
PB13: M1.4 U1.26 | length 510.4
  Top Layer w10: v3@971.42,1336.42 U1.26 ; v3@971.77,1333.23 cw(c979.46,1325.54) 979.46,1336.42
  Bottom Layer w10: M1.4@960.87,974.21 ccw(c938.82,996.25) 970,996.25 ccw(c1001.18,996.25) M1.4@979.13,974.21 ; M1.4 v3(970,1335)
PB14: M1.7 U1.27 | length 681
  Top Layer w10: v3@820,1356.1 U1.27 ; v3@821.77,1353.23 cw(c828.7,1346.3) 828.7,1356.1
  Bottom Layer w10: M1.7@810.87,974.21 ccw(c788.82,996.25) 820,996.25 ccw(c851.18,996.25) M1.7@829.13,974.21 ; M1.7 v3(820,1355)
PC13: U1.2
PC14: U1.3
PC15: U1.4
RESET: C15.2 R13.1 SW1.2 U1.7 | length 1047.7
  Top Layer w10: R13.1@97.4,1533.35 ccw(c79.05,1551.7) 105,1551.7 ccw(c130.95,1551.7) R13.1@112.6,1533.35 ; R13.1@105,1506.5 cw(c105,1470.29) 130.61,1495.89 ; 110.09,1605.09 ccw(c85.02,1630.16) SW1.2@120.47,1630.16 ; R13.1@115.75,1517.25 ccw(c131.43,1517.25) R13.1@120.34,1506.16 ; SW1.2@116.14,1611.14 cw(c132.32,1594.96) SW1.2@140.08,1616.49 ; SW1.2@136.69,1607.08 ccw(c126.42,1578.58) 105,1600 ; SW1.2 105,1600 ; C15.2@187.93,1448.93 ccw(c170.86,1431.86) 170.86,1456 ccw(c170.86,1480.14) C15.2@187.93,1463.07 ; C15.2@195,1443.5 cw(c195,1413.32) 216.34,1434.66 ; C15.2@205,1453.5 ccw(c223.11,1453.5) 210.3,1440.7 ; U1.7 560.16,1415.16 545,1400 251,1400 C15.2 170.5,1456 R13.1 105,1600
RX: M1.6 U1.31 | length 668
  Top Layer w10: v3(930,1434.84) U1.31
  Bottom Layer w10: M1.6@860.87,974.21 ccw(c838.82,996.25) 870,996.25 ccw(c901.18,996.25) M1.6@879.13,974.21 ; M1.6 870,1374.84 v3(930,1434.84)
RX2: J1.4 R15.1 U1.13 | length 1974.9
  Top Layer w10: U1.13 766.73,938.27 860,845 995,845 1030,810 R15.1 v3@1030,690 ; R15.1@1015.86,740.86 cw(c981.72,706.72) 1030,706.72 cw(c1078.28,706.72) R15.1@1044.14,740.86 ; R15.1@1015.86,769.14 ccw(c981.72,803.28) 1030,803.28 ccw(c1078.28,803.28) R15.1@1044.14,769.14
  Bottom Layer w10: J1.4@752.3,129.87 ccw(c680.18,201.99) 782.17,201.99 ccw(c884.15,201.99) J1.4@812.04,129.87 ; J1.4@759.37,122.8 ccw(c704.32,177.84) 782.17,177.84 ccw(c860.01,177.84) J1.4@804.97,122.8 ; J1.4@766.44,115.73 ccw(c728.47,153.7) 782.17,153.7 ccw(c835.87,153.7) J1.4@797.9,115.73 ; J1.4 782.17,442.01 v3(1030,689.84)
SWDCLK: P1.2 U1.37 | length 542.5
  Top Layer w10: U1.37 v1(1009.29,1584.29) ; v1@1005.76,1580.76 ccw(c997.22,1572.22) 997.22,1584.29 ccw(c997.22,1596.36) v1@1005.76,1587.83
  Bottom Layer w10: v1(1009.29,1584.29) 1190.71,1584.29 P1.2 ; v1@1012.83,1580.76 cw(c1021.36,1572.22) 1021.36,1584.29 cw(c1021.36,1596.36) v1@1012.83,1587.83 ; P1.2@1246.54,1500 ccw(c1177.82,1500) 1226.41,1548.59 ccw(c1275,1597.18) P1.2@1275,1528.46 ; P1.2@1256.54,1500 ccw(c1211.96,1500) 1243.48,1531.52 ccw(c1275,1563.04) P1.2@1275,1518.46
SWDIO: P1.3 U1.34 | length 462.6
  Top Layer w10: U1.34 1168.9,1493.9 P1.3 ; P1.3@1246.54,1600 cw(c1177.82,1600) 1226.41,1551.41 cw(c1275,1502.82) P1.3@1275,1571.54 ; P1.3@1256.54,1600 cw(c1211.96,1600) 1243.48,1568.48 cw(c1275,1536.96) P1.3@1275,1581.54
TX: M1.5 U1.30 | length 612.8
  Top Layer w10: v3@955,1415.16 U1.30
  Bottom Layer w10: M1.5@910.87,974.21 ccw(c888.82,996.25) 920,996.25 ccw(c951.18,996.25) M1.5@929.13,974.21 ; M1.5 920,1380 v3(955,1415)
TX2: J1.3 R18.1 U1.12 | length 1848.6
  Top Layer w10: U1.12 715.71,824.29 R18.1 v3@785,700 ; R18.1@765,755 ccw(c716.72,755) 750.86,789.14 ccw(c785,823.28) R18.1@785,775 ; R18.1@770.86,740.86 cw(c736.72,706.72) 785,706.72 cw(c833.28,706.72) R18.1@799.14,740.86 ; v3@782.83,701.09 ccw(c772.35,707.15) 784.04,710.28 ; 785.96,710.28 ccw(c797.65,707.15) v3@787.17,701.09
  Bottom Layer w10: J1.3@596.39,129.87 ccw(c524.28,201.99) 626.26,201.99 ccw(c728.25,201.99) J1.3@656.13,129.87 ; J1.3@603.46,122.8 ccw(c548.42,177.84) 626.26,177.84 ccw(c704.11,177.84) J1.3@649.06,122.8 ; J1.3@610.53,115.73 ccw(c572.56,153.7) 626.26,153.7 ccw(c679.96,153.7) J1.3@641.99,115.73 ; J1.3 626.26,541.1 v3(785,699.84)
VCC3.3: 
VCC3V3: *1.2 C1.2 C5.2 C6.2 C7.2 C8.2 C12.1 D1.1 M1.10 P1.4 R10.2 R13.2 R16.1 R17.2 t1.8 U1.9 U1.24 U1.36 U1.48 | length 8608.3
  Top Layer w10: C6.2 630,1306 630,1345 660.79,1375.79 U1.9 ; C6.2@590,1278.5 ccw(c590,1308.68) 611.34,1287.34 ; C6.2@600,1268.5 cw(c618.11,1268.5) 605.3,1281.3 ; C5.2@748.93,1692.07 ccw(c731.86,1709.14) 756,1709.14 ccw(c780.14,1709.14) C5.2@763.07,1692.07 ; C5.2@751.43,1677.93 cw(c714.48,1640.98) 766.73,1640.98 ; C5.2 756,1711 810,1765 1210,1765 P1.4 ; C5.2@758.5,1685 cw(c738.63,1665.13) 766.73,1665.13 ; U1.48 C5.2@766.73,1674.27 ; C7.2@976.93,1167.07 ccw(c959.86,1184.14) 984,1184.14 ccw(c1008.14,1184.14) C7.2@991.07,1167.07 ; U1.24@984,1264.98 C7.2 1090,1160 1185,1255 C1.2 1321,1331 1360,1370 1360,1680 1340,1700 ; C7.2@993.57,1152.93 cw(c1010.64,1135.86) 1010.64,1160 cw(c1010.64,1184.14) C7.2@993.57,1167.07 ; U1.36 1073.27,1533.27 1085,1545 C8.2 1181,1606 P1.4 ; C8.2@1077.93,1596.43 cw(c1060.86,1579.36) 1085,1579.36 cw(c1109.14,1579.36) C8.2@1092.07,1596.43 ; C8.2@1092.07,1598.93 cw(c1109.14,1581.86) 1109.14,1606 cw(c1109.14,1630.14) C8.2@1092.07,1613.07 ; C1.2@1177.93,1321.43 cw(c1160.86,1304.36) 1185,1304.36 cw(c1209.14,1304.36) C1.2@1192.07,1321.43 ; C1.2@1192.07,1323.93 cw(c1209.14,1306.86) 1209.14,1331 cw(c1209.14,1355.14) C1.2@1192.07,1338.07 ; P1.4@1275,1671.54 ccw(c1275,1602.82) 1226.41,1651.41 ccw(c1177.82,1700) 1246.54,1700 ccw(c1177.82,1700) 1226.41,1748.59 ccw(c1275,1797.18) P1.4@1275,1728.46 ; P1.4@1275,1681.54 ccw(c1275,1636.96) 1243.48,1668.48 ccw(c1211.96,1700) 1256.54,1700 ccw(c1211.96,1700) 1243.48,1731.52 ccw(c1275,1763.04) P1.4@1275,1718.46 ; P1.4@1288.57,1687.48 cw(c1317.16,1661.1) 1317.16,1700 cw(c1317.16,1738.9) P1.4@1288.57,1712.52 ; P1.4@1295.92,1680.7 cw(c1340,1640.03) 1340,1700 ; P1.4@1295.92,1719.3 ccw(c1340,1759.97) 1340,1700 ; P1.4 1340,1700
  Top Layer w20: *1.2@34.23,971.08 ccw(c-15.91,1021.22) 55,1021.22 ccw(c125.91,1021.22) 75.77,971.08 ccw(c125.91,1021.22) 125.91,950.32 ccw(c125.91,879.41) *1.2@75.77,929.55 ; 55,1075.5 cw(c154.5,1075.5) C12.1@84.14,1145.86 ; 55,1123.79 cw(c106.22,1123.79) C12.1 D1.1 ; C12.1@55,1145 *1.2 139.68,950.32 166.5,923.5 R10.2 ; C12.1@55.86,1174.15 ccw(c21.72,1208.28) 70,1208.28 ccw(c118.29,1208.29) C12.1@84.14,1174.15 ; D1.1@59.39,1264.39 cw(c33.79,1238.79) 70,1238.79 cw(c106.21,1238.79) D1.1@80.61,1264.39 ; D1.1@59.39,1285.61 ccw(c33.79,1311.21) 70,1311.21 ccw(c106.21,1311.21) D1.1@80.61,1285.61 ; D1.1@75,1290 ccw(c75,1338.28) 109.14,1304.14 ; 87.93,1431.43 cw(c105,1414.36) R13.2@105,1438.5 ; D1.1@90,1275 cw(c114.14,1275) D1.1@97.07,1292.07 ; R13.2 70,1413.5 D1.1 ; R16.1@780,610 ccw(c743.79,610) 769.39,635.61 ccw(c795,661.21) R16.1@795,625 ; R16.1@784.39,599.39 ccw(c758.79,573.79) 758.79,610 ccw(c758.79,646.21) R16.1@784.39,620.61 ; R17.2@919.39,394.39 ccw(c893.79,368.79) 893.79,405 ccw(c893.79,441.21) R17.2@919.39,415.61 ; R17.2@940.61,394.39 cw(c966.21,368.79) 966.21,405 cw(c966.21,441.21) R17.2@940.61,415.61 ; t1.8 1185,390 1170,405 R17.2 750,405 710,445 710,585 735,610 R16.1 590,815 v4(590,1190) C6.2 509,1266 435,1340 145,1340 80,1275 D1.1
  Bottom Layer w20: v4(70,1415) 290,1635 1210,1635 P1.4 ; v4(590,1190) 670,1110 M1.10 ; M1.10@664.4,970.67 ccw(c650.9,984.18) 670,984.18 ccw(c689.1,984.18) M1.10@675.6,970.67 ; P1.4@1251.54,1700 cw(c1194.89,1700) 1234.94,1659.94 cw(c1275,1619.89) P1.4@1275,1676.54
VCC_IN: C13.2 J1.1 mp1.7 R7.1 | length 1433.7
  Top Layer w20: mp1.7 259.68,154.77 ; J1.1@277.44,104.13 ccw(c215.91,110.99) 259.69,154.76 ; J1.1@310.32,137.01 cw(c303.46,198.54) 259.69,154.76 ; J1.1@314.45,137.24 ccw(c314.45,227.16) 378.03,163.58 ccw(c441.61,100) J1.1@351.7,100 ; C13.2@410.86,255.85 cw(c376.71,221.71) 425,221.71 cw(c473.28,221.71) C13.2@439.14,255.85 ; C13.2 425,210.55 J1.1 259.68,154.77 ; R7.1 v5(545,480)
  Bottom Layer w20: J1.1@288.12,126.34 ccw(c224.54,189.92) 314.45,189.92 ccw(c404.37,189.92) J1.1@340.79,126.34 ; J1.1 314.45,249.45 v5(545,480)
pads on no net: M1.3 M1.8 M1.11 M1.12 M1.16 M1.17 M1.18 M1.19 M1.20 M1.21 mp1.0 U1.1 U1.14 U1.15 U1.16 U1.17 U1.18 U1.19 U1.21 U1.22 U1.28 U1.29 U1.32 U1.33 U1.38 U1.39 U1.40 U1.45 U1.46
copper on no net:
  other v2: 159.68,385 189.68,385 219.68,385 249.68,385 279.68,385 159.68,415 189.68,415 219.68,415 249.68,415 279.68,415 159.68,445 189.68,445 219.68,445 249.68,445 279.68,445

## Polygon pours and split planes (outlines as drawn)
GND on Bottom Layer "Top Overlay-No Net" (solid, pour order 2): 0,2370 10,2360 1405,2360 1405,0 0,0
GND on Top Layer "Top Overlay-No Net" (solid, pour order 4): 0,2360 1405,2360 1405,-25 10,-25 0,-15

## Keep-outs
Keep-Out Layer:
  lines w10: 0,2360 0,0 1405,0 1405,2360 410,2360 ; 5,2360 415,2360

## Silkscreen, mask and mechanical layers (free items; w line width, h text height)
Top Overlay:
  text "3V3" at 1190,1785 h40 r270
  text "DIO" at 1190,1660 h40 r270
  text "CLK" at 1190,1545 h40 r270
  text "GND" at 1330,1455 h40 r270
  text "IN" at 285,185 h40
  text "GND" at 430,185 h40
  text "RX" at 755,185 h40
  text "A+" at 920,185 h40
  text "B-" at 1075,185 h40
  text "TX" at 595,180 h40